# Altium PCB highpower.PcbDoc (part 1 of 2) (continued)
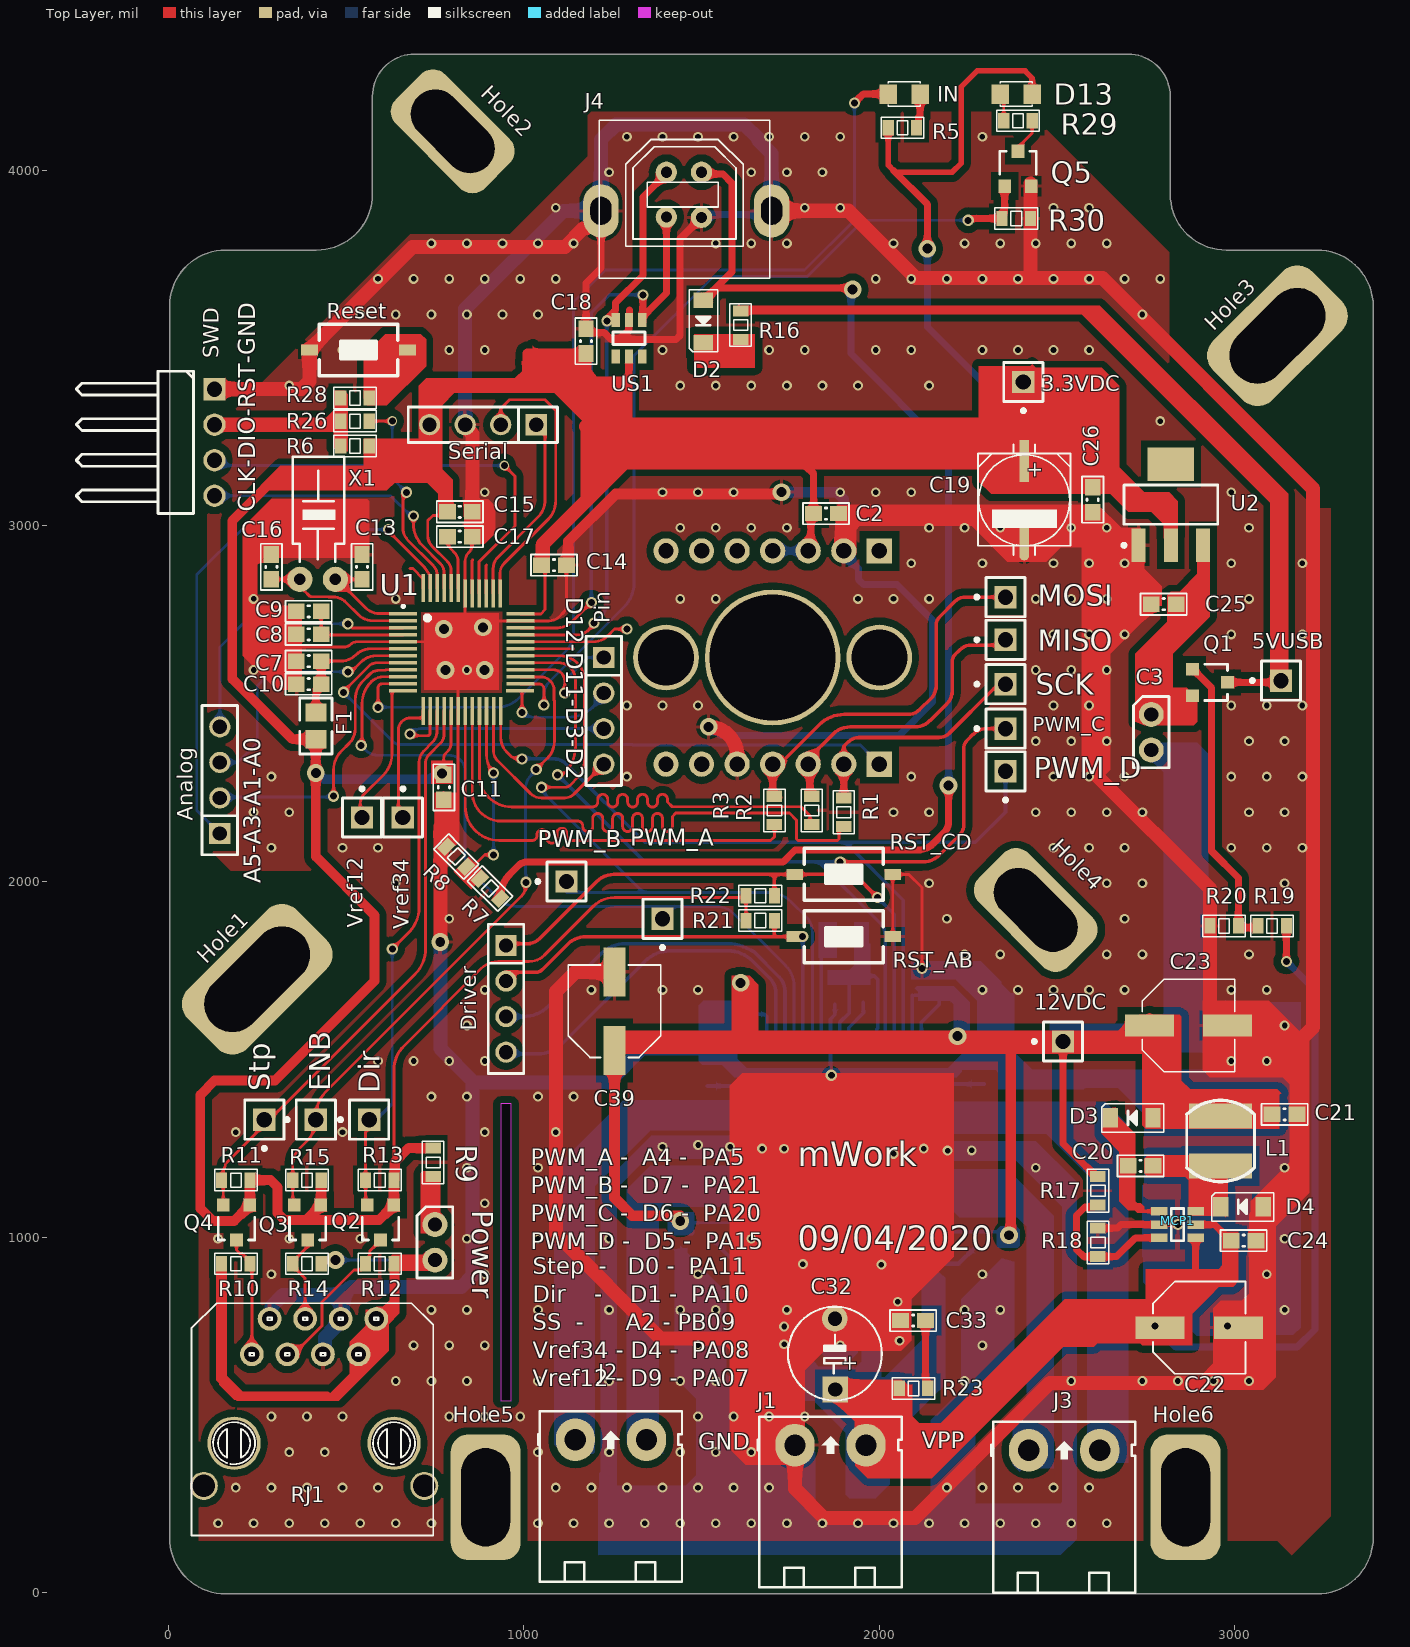
[diagram p0: Top Layer view]
## Footprints (in the part's own frame and the unit in brackets; to place one, negate y for a bottom-side part, rotate by r counter-clockwise, add the part's x,y. Pads: shape width x height; smd on the part's side, far side on the other; paste and mask are expansions set on the pad)
AS5047D_Module [mm] "PCB Breakout"
  rect 1.8x1.8 hole 1.1: 1(0,0) 14(15.24,0)
  round 1.8 hole 1.1: 2(0,-2.54) 3(0,-5.08) 4(0,-7.62) 5(0,-10.16) 6(0,-12.7) 7(0,-15.24) 8(15.24,-15.24) 9(15.24,-12.7) 10(15.24,-10.16) 11(15.24,-7.62) 12(15.24,-5.08) 13(15.24,-2.54)
  round 9.7 hole 9: A(7.62,-7.62)
  round 4.7 hole 4: B(7.62,-15.24) C(7.62,0)
  silkscreen extent -1.27,-17.27 16.26,1.91
CA-ALU-5R [mil]
  rect 72x72 hole 40: 1(-99,-1)
  round 72 hole 40: 2(100,0)
  silkscreen extent -130,-132 134,132, body extent -108,-98 108,98, height 551
CAP-ALU-SMD-6.3x7.7x2.2 [mm]
  rect 3.5x1.6 smd: 1(-2.8,0) 2(2.8,0)
  silkscreen extent -3.3,-3.3 3.3,3.3, body extent -3.65,-3.3 3.65,3.3, height 7.65
CAP-ALU-SMD-D [mm]
  rect 3x0.7 smd: 1(-2.794,0)
  oval 3x0.7 smd: 2(2.794,0)
  silkscreen extent -4,-3.3 3.93,3.3, body extent -3.5,-3.3 3.5,3.3, height 5.4
Capacitor_805 [mm]
  rect 1.3x1.5 smd: 1(0.95,0) 2(-0.95,0)
  silkscreen extent -2,-1.15 2,1.15, body extent -1,-0.63 1,0.62, height 0.78
CN-SMD-0603_big [mm]
  rect 1.2x1.1 smd: 1(-0.889,0) 2(0.889,0)
  silkscreen extent -1.65,-0.76 1.65,0.76, body extent -0.8,-0.4 0.8,0.4, height 0.3
CN-SMD-0805 [mil]
  rect 43.31x55 smd: 1(-39.36,0.01) 2(39.37,0.01)
  silkscreen extent -70,-34 70,33, body extent -39,-25 39,25, height 31
DIO-SMD-123 [mm]
  rect 1.1x1.4 smd: 1(1.524,0) 2(-1.524,0)
  silkscreen extent -2.16,-1.02 2.29,1.02, body extent -1.76,-0.8 1.94,0.8, height 1.25
DIO-SMD-214AC [mil] "DO-214AC , ES1J"
  rect 51.18x59.06 smd: 1(170,45) 2(35,45)
  silkscreen extent 0,0 200,85, body extent 16,9 161,72, height 49
DRV8432 [mm]
  rect 2.2x0.43 smd paste+0: 1(0,11.05)
  rect 2.2x0.43 smd: 2(0,10.4) 3(0,9.75) 4(0,9.1) 5(0,8.45) 6(0,7.8) 7(0,7.15) 8(0,6.5) 9(0,5.85) 10(0,5.2) 11(0,4.55) 12(0,3.9) 13(0,3.25) 14(0,2.6) 15(0,1.95) 16(0,1.3) 17(0,0.65) 18(0,0) 19(13.208,0) 20(13.208,0.65) 21(13.208,1.3) 22(13.208,1.95) 23(13.208,2.6) 24(13.208,3.25) 25(13.208,3.9) 26(13.208,4.55) 27(13.208,5.2) 28(13.208,5.85) 29(13.208,6.5) 30(13.208,7.15) 31(13.208,7.8) 32(13.208,8.45) 33(13.208,9.1) 34(13.208,9.75) 35(13.208,10.4) 36(13.208,11.05)
  silkscreen extent 1.27,-2.54 11.81,13.59, body extent -0.77,-2.41 13.73,13.59, height 3.71
HolePad#1 [mm]
  rrect50% 11x6 hole 4 slot 9 at 0 deg: 1(0,0)
HolePad#2 [mm]
  rrect50% 9x5 hole 3.5 slot 7 at 0 deg: 1(0,0)
HolePad#3 [mm]
  rrect50% 10x6 hole 4 slot 8 at 0 deg: 1(0,0)
HolePad#4 [mm]
  rrect50% 9x5 hole 3.5 slot 7 at 0 deg: 1(-0.56,0.1)
HolePad#5 [mm]
  rrect50% 9x5 hole 3.5 slot 7 at 0 deg: 1(0,0.1)
JP1-D1T [mm] "1pins, 1 row, straight, gold plating"
  rect 1.6x1.6 hole 1.1: 1(0,0)
  silkscreen extent -1.4,-1.4 1.4,2.17, body extent -1.27,-1.27 1.27,1.27, height 8.54
JP2-CLOSED [mil]
  round 70 hole 40: 1(0,0) 2(0,-100)
  silkscreen extent -50,-150 50,50, body extent -50,-152 50,50, height 300
JP4-C1T [mm] "4 row, straight, gold plating"
  rect 1.52x1.52 hole 1.02: 1(0,0)
  round 1.52 hole 1.02: 2(2.54,0) 3(5.08,0) 4(7.62,0)
  silkscreen extent -1.52,-1.27 9.14,1.27, body extent -1.52,-1.25 9.14,1.25, height 8.51
JP4-D1C [mm] "4 pins, 1 row, right angled, gold plating"
  rect 1.6x1.6 hole 1.1: 1(-8.89,2.54)
  round 1.6 hole 1.1: 2(-6.35,2.54) 3(-3.81,2.54) 4(-1.27,2.54)
  silkscreen extent -10.16,-7.34 0,1.04, body extent -10.16,-7.57 0,2.79, height 2.54
KF2-5.08T [mil] "Header 2, 2 pin, hight 300mil, Pin to Pin 200, Colour Green"
  oval 110x120 hole 60: 1(0,0) 2(200,0)
  silkscreen extent -105,-400 300,80, body extent -97,-399 297,73, height 334
L_SMD [mil] "4.5x5mm"
  rect 70.87x177.17 smd: 1(-20,5) 2(120,5)
  silkscreen extent -64,-90 164,100
LED-0805-Blue [mil]
  rect 50x55 smd: 1(0,0) 2(90,0)
  silkscreen extent 0,-35 90,35, body extent 5,-25 85,25, height 43
QFP50P900X900X120-48N [mm]
  rect 2x0.267 smd: 1(-4.2,2.75) 2(-4.2,2.25) 3(-4.2,1.75) 4(-4.2,1.25) 5(-4.2,0.75) 6(-4.2,0.25) 7(-4.2,-0.25) 8(-4.2,-0.75) 9(-4.2,-1.25) 10(-4.2,-1.75) 11(-4.2,-2.25) 12(-4.2,-2.75) 25(4.17,-2.75) 26(4.2,-2.25) 27(4.2,-1.75) 28(4.2,-1.25) 29(4.2,-0.75) 30(4.2,-0.25) 31(4.2,0.25) 32(4.2,0.75) 33(4.2,1.25) 34(4.2,1.75) 35(4.2,2.25) 36(4.2,2.75)
  rect 0.267x2 smd: 13(-2.75,-4.2) 14(-2.25,-4.2) 15(-1.75,-4.2) 16(-1.25,-4.2) 17(-0.75,-4.2) 18(-0.25,-4.2) 19(0.254,-4.191) 20(0.762,-4.191) 21(1.27,-4.191) 22(1.778,-4.191) 23(2.286,-4.191) 24(2.794,-4.191) 37(2.75,4.2) 38(2.25,4.2) 39(1.75,4.2) 40(1.25,4.2) 41(0.75,4.2) 42(0.25,4.2) 43(-0.25,4.581) 44(-0.75,4.581) 45(-1.25,4.581) 46(-1.75,4.581) 47(-2.25,4.581) 48(-2.75,4.581)
  silkscreen extent -4.27,2.33 -2.32,3.38, body extent -4.5,-4.56 4.5,4.45, height 1.41
RES-SMD-0603_BIG [mm]
  rect 0.8x1.1 smd: 1(-1.016,0) 2(1.016,0)
  silkscreen extent -1.52,-0.76 1.52,0.76, body extent -0.8,-0.4 0.8,0.4, height 0.43
RJ45-Dung [mm]
  round 1.7 hole 1.1: 1(0,0) 2(1.27,2.54) 3(2.54,0) 4(3.81,2.54) 5(5.08,0) 6(6.35,2.54) 7(7.62,0) 8(8.89,2.54)
  round 3.81 hole 3.3: HM1(-1.27,-6.35) HM2(10.16,-6.35)
  round 2 hole 1.6: HM3(-3.43,-9.4) HM4(12.32,-9.4)
  silkscreen extent -4.32,-12.95 16.51,3.65, body extent -3.27,-12.53 13.18,2.37, height 12.96
SOT23-6 [mm] "SOT143-4 as used in SP0503BAHTG"
  round 0.2 on Top Overlay: 1(-1.5,0.75)
  rect 0.6x1 smd: 1(-0.95,0) 2(0,0) 3(0.95,0) 4(-0.95,2.6) 5(0,2.6) 6(0.95,2.6)
  silkscreen extent -1.15,0.85 1.15,1.75, body extent -1.46,0.13 1.46,2.47, height 1
SOT23-6- [mm] "SOT143-4 as used in SP0503BAHTG"
  round 0.5 on Top Overlay: 1(-1.524,0.762)
  rect 0.6x1.2 smd: 1(-0.95,0) 2(0,0) 3(0.95,0) 4(0.95,2.6) 5(0,2.6) 6(-0.95,2.6)
  silkscreen extent -1.15,0.85 1.15,1.75, body extent -1.46,0.13 1.46,2.47, height 1
SOT23-bss138 [mm] "SOT23, 1=bottom-left, 2=top, 3=bottom-right"
  rect 0.9x0.95 smd: D(0,1.25) G(-0.95,-1.25) S(0.955,-1.25)
  silkscreen extent -1.3,-0.38 1.3,1.25, body extent -1.52,-1.23 1.48,1.27, height 1.06
SOT23F [mm] "SOT23, 1G 2S 3D"
  rect 0.9x0.95 smd: 1(-0.95,-1.25) 2(0.955,-1.25) 3(0,1.25)
  silkscreen extent -1.3,-0.38 1.3,1.25, body extent -1.52,-1.23 1.48,1.27, height 1.06
SOT223 [mm]
  rect 1x2.4 smd: 1(-2.3,-2.9) 2(0,-2.9) 3(2.3,-2.9)
  rect 3.3x2.4 smd: 4(0,2.9)
  silkscreen extent -3.47,-3.02 3.35,1.4, body extent -3.25,-3.56 3.25,3.4, height 1.68
SW1-SMD [mm]
  rect 1.2x0.8 smd: 1(-3.5,0) 2(3.5,0)
  silkscreen extent -2.82,-1.85 2.82,1.85, body extent -3.05,-1.85 3.05,1.85, height 2.5
USB-C3 [mil]
  round 60 hole 31.5 mask+2: 1(48,63.5) 2(-51,63.5) 3(-51,-62.5) 4(48,-63.5)
  oval 100x150 hole 59.06 slot 78.74 at 90 deg mask+2: 4(-235,-45) 4(245,-45)
  silkscreen extent -240,-234 240,210, body extent -290,-235 289,210, height 634
XT32k [mm]
  round 1.8 hole 0.813: 1(0,0) 2(0,-2.54)
  silkscreen extent 1.27,-3.17 8.76,0.51, body extent -0.15,-2.42 8.2,-0.12, height 1.95

## Part data
3.3VDC 5VUSB 12VDC C3 Dir ENB MISO MOSI Power PWM_A PWM_B PWM_C PWM_D SCK Stp Vref12 Vref34: "WR-PHD 2.54 mm Angled Socket Header", Manufacturer="W¨¹rth Elektronik eiSos GmbH", partNo=613002143121, ComponentLink1 Description=Manufacturer, ComponentLink1URL=http://www.we-online.com, ComponentLink2 Description=Datasheet, ComponentLink2URL=http://katalog.we-online.de/em/datasheet/6130xx143121.pdf, Created by="Karrer Zheng", Created Date="29 March 2013", NoPins=02
Analog Driver Pin Serial SWD: "WR-PHD 2.54 mm Angled Socket Header", Manufacturer="W¨¹rth Elektronik eiSos GmbH", partNo=613004143121, ComponentLink1 Description=Manufacturer, ComponentLink1URL=http://www.we-online.com, ComponentLink2 Description=Datasheet, ComponentLink2URL=http://katalog.we-online.de/em/datasheet/6130xx143121.pdf, Created by="Karrer Zheng", Created Date="29 March 2013", NoPins=04
AS1: Current_Str=A, Manufacture_Parts=:AS5047D, Voltage=0, Voltage_Str=0V, Company_Part_GUID=altiumdb5786b44c08eb91.84503477, Component=AS5047D, ComponentLink1Description=unknown, ComponentLink2Description=Datasheet, ID=37, Manufacturer_Part_Number=AS5047D, Misfit Price=0, Price=0, Vendor=unknown, Watts=0, Watts_Str=0W
C7 C8 C9 C10 C11 C13 C14 C15 C16 C17 C18 C28 C29 C30 C31 C33 C34 C35 C36 C37 C38 C40 C41 C42 C43 C44: library part CN
C19 C22 C23 C39: library part CN-ALU-SMD, "Polarized Capacitor (Axial)", LatestRevisionDate=17-Jul-2002, LatestRevisionNote="Re-released for DXP Platform.", PackageReference=POLAR0.8, Published=8-Jun-2000, Publisher="Altium Limited"
C32: "Capacitor (Semiconductor SIM Model)", LatestRevisionDate=17-Jul-2002, LatestRevisionNote="Re-released for DXP Platform.", PackageReference=C1206, Publisher="Altium Limited"
D1: library part Diode, "Default Diode", Code - JEDEC=DO-214-AB, ComponentLink1Description="ES1J - STMBL", ComponentLink1URL=https://banlinhkien.vn/goods-8089-es1j-do214-diode-1a-600v-sma-es1j-.html, ComponentLink2Description=Schottky, ComponentLink2URL=RB160M-60, Published=8-Jun-2000, Publisher="Altium Limited", Revision="July-2002: Re-released for DXP Platform."
D2 D3 D4: "Default Diode", Code - JEDEC=DO-214-AB, ComponentLink1Description="ES1J - STMBL", ComponentLink1URL=https://banlinhkien.vn/goods-8089-es1j-do214-diode-1a-600v-sma-es1j-.html, Published=8-Jun-2000, Publisher="Altium Limited", Revision="July-2002: Re-released for DXP Platform."
D13 IN: library part "LED SMD"
F1: library part Ferrite
J1 J2 J3: Manufacturer="Würth Elektronik eiSos GmbH", partNo=691103110002, ComponentLink1 Description=Manufacturer, ComponentLink1URL=http://www.we-online.com, ComponentLink2 Description=Datasheet, ComponentLink2URL=http://katalog.we-online.de/em/datasheet/6911031100xx.pdf, Created by="Karrer Zheng", Created Date="29 October 2013", NoPins=2
J4: library part USB-4, "THT USB 2.0 A Connector WE-EPLE", Manufacturer="Würth Elektronik eiSos GmbH", ComponentLink1Description=Manufacturer, ComponentLink1URL=http://www.we-online.de, ComponentLink2Description=Datasheet, ComponentLink2URL=http://www.we-online.de/katalog/media/pdf/8492121.pdf, Created by="Christin Otto", Created Date=OCT-2014, partNo=8492121
L1: library part L-SMD-1, "https://www.thegioiic.com/products/cuon-cam-68uh-cd75-smd-7-8x7-5x5-0", Inductance="56 μH", Manufacturer="Wurth Elektronik", partNo=78477010, ComponentLink1Description=Manufacturer, ComponentLink1URL=http://www.we-online.de, ComponentLink2Description=Datasheet, ComponentLink2URL=http://katalog.we-online.de/pbs/datasheet/78477010.pdf, Created by="Baojun Chen", Created Date=Nov.2015
Q1: "HEXFET P-Channel Power MOSFET"
Q2 Q3 Q4 Q5: "N-Channel 50V 220mA _Ta_ 360mW _Ta_ Surface Mount Die", Package="TO-236-3 Micross", Availability=Unavailable, MF="MICROSS/On Semiconductor", MP=BSS138, Price=None, SnapEDA_Link=https://www.snapeda.com/parts/BSS138/MICROSS/On%20Semiconductor/view-part/2773844/?ref=snap
R1 R2 R3 R5 R6 R7 R8 R16 R17 R18 R19 R20 R23 R26 R28 R29 R30: library part R
Reset RST_AB RST_CD: library part SW2, "Switch button 2 pin"
RJ1: library part "CON JR45", ComponentLink1Description=Mua, ComponentLink1URL=https://thegioiic.com/products/rj45-top-cong-rj45-top-180-do
Step1: "https://www.digikey.com/product-detail/en/texas-instruments/DRV8432DKDR/296-29573-2-ND/2353367", ComponentLink1Description=Datasheet, ComponentLink1URL=https://www.ti.com/lit/ds/symlink/drv8432.pdf, ComponentLink2Description=BOM, ComponentLink2URL=https://www.digikey.com/product-detail/en/texas-instruments/DRV8432DKDR/296-29573-2-ND/2353367
U1: "ARMÂ® CortexÂ®-M0+ SAM D21G Microcontroller IC 32-Bit 48MHz 256KB _256K x 8_ FLASH 48-TQFP _7x7_ / Arduino Zero", Package="TQFP-48 Atmel", Availability=Unavailable, MF=Microchip, MP=ATSAMD21G18A-AU, Price=None, SnapEDA_Link=https://www.snapeda.com/parts/ATSAMD21G18A-AU/Microchip/view-part/55502/?ref=snap
U2: library part LM1117, "800mA Low-Dropout Linear Regulator", Creator="Nguyen Ba Bien", Website=http://group3i.net
US1: library part USBLC6-2S, "http://robocon.vn/detail/ic81-ic-dan-ul26-usblc6-2sc6-sot-23-6-st-st-esd.html"
X1: library part XT2, "Crystal, 32.768 KHz, -40 to 85 degC, 3.2 x 1.5 x 0.9 mm SMD"

## Via types
v1: diameter 27.56, hole 15.75, Top Layer to Bottom Layer, tented both sides, 321 vias
v2: diameter 31.5, hole 19.68, Top Layer to Bottom Layer, tented both sides, 37 vias
v3: diameter 50, hole 28, Top Layer to Bottom Layer, tented both sides, 17 vias
v4: diameter 27.56, hole 19.68, Top Layer to Bottom Layer, 2 vias

## Nets (pads, with @x,y where several pads share a name; then routed paths per layer and width w, separated by ;. In a path a pad name is that pad's centre, name@x,y a point inside that pad or via, vN(x,y) a via of type N, cw(c..) or ccw(c..) an arc to the next point about the centre after c; other vN are vias at no path point)
5V_USB: D2.1 J4.1 R7.1 | length 3873.6
  Top Layer w19.68: R7.1@933.28,1951.72 933.28,1951.86 cw(c1033.28,1951.86) 955.91,2015.21 cw(c1033.28,1951.86) 962.57,2022.57 985,2045 cw(c1009.14,2020.86) 1009.14,2055 1729.77,2055 1763.4,2088.62 2106.92,2088.62 ccw(c2106.92,2153.08) 2152.5,2107.5 2180.86,2135.86 ; J4.1@1500,3995 1505,3990 1560,3990 1585,3965 1585,3715 1542.95,3672.95 D2.1@1505,3635 1510.91,3635 1545.91,3670 1920,3670 v3(1925,3665) ; 2180.88,2135.88 ccw(c2146.72,2170) 2195,2170 v3(2195,2270)
  Bottom Layer w19.68: v3@1920,3650 1920,3485 2195,3210 v3(2195,2270) v3@2195,2265
+5: Power.2 R10.2 R12.2 R14.2 RJ1.7 RJ1.8 | length 1544
  Top Layer w8: R10.2@150,925 150,595 146.31,591.31 146.31,586.1 187.41,545 455,545 535,625 RJ1.7@535,670 573.72,708.72 573.72,758.72 RJ1.8@585,770 635,820 R12.2@635,925 645,935 Power.2@750,935 ; R14.2@430,925 440,935 v3(470,935)
  Bottom Layer w8: v3@490,935 Power.2@750,935
+5_USB: 5VUSB.1 Q1.3 R16.2 | length 2405.3
  Top Layer w19.68: R16.2@1610,3605 2605,3605 3130,3080 5VUSB.1@3130,2565 3125,2560 Q1.3@2979.21,2560
+12: 12VDC.1 C3.2 C21.2 C23.1 C39.1 C40.2 C41.2 C42.2 C43.2 C44.2 D3.1 L1.2 R17.1 Step1.1 Step1.17 Step1.18 Step1.19 Step1.36 | length 6548.5
  Top Layer w10: v3(1610,1715) 1645,1680 1645,1570.86 1650.86,1565 v3(2220,1565) 2400,1565 ; 2235,1545 2380,1545 ; v3@2365,1015 v3@2370,1020 ; 2370,1535 2380,1545 ; 12VDC.1@2516.63,1545 2642.36,1545 2662.36,1565 ; R17.1@2609.09,1170 R17.1@2615,1170 ; L1.2@2910,1340 2845,1340 2845,1567.17 2792.17,1620 2759.53,1620 2717.36,1620 2662.36,1565 ; C21.2@3105,1345 C21.2@3120.74,1329.26 ; 2380,1545 2400,1565 ; 2400,1565 2516.63,1565 2662.36,1565
  Top Layer w19.68: 12VDC.1@2516.63,1545 2516.63,1263.37 2598.19,1181.81 2598.19,1175.91 R17.1@2604.09,1170 ; C23.1@2759.53,1620 C23.1@2759.53,1595 2770,1584.53 D3.1@2770,1335 2845,1335 L1.2@2905,1335
  Top Layer w30: C39.1@1255,1562.17 C39.1@1255,1524.76 1255,1110 1305,1060 v3@1440,1060 ; v3@2370,1020 2370,1535
  Bottom Layer w8: 1490,1040 Step1.36@1680.95,1040
  Bottom Layer w10: C43.2@1440,1030 C43.2@1440,1050 ; C43.2@1442.5,1027.5 1455,1040 1490,1040 ; v3(1610,1715) 1645,1680 C44.2@1645,1640 1658.84,1626.16 1677.65,1626.16 1683.5,1620.3 Step1.1@1683.5,1535 ; Step1.17@2092.95,1535 2092.95,1680 ; C40.2@2100,1680 2170,1680 2168.97,1678.97 2168.97,1653.97 2118.41,1603.41 2118.41,1535.13 Step1.18@2118.54,1535 ; Step1.19@2118.54,1015 2337.49,1015 2338.87,1013.62 2343.35,1013.62 2360,996.97 C41.2@2360,995 ; C42.2@2180,1680 2190.8,1669.2 2210.8,1669.2 2235,1645 2235,1565 2235,1545 ; C43.2@1440,1050 1440,1060 C43.2@1440,1050
  Bottom Layer w11.81: Step1.36@1680.95,1040 1683.5,1037.44 Step1.36@1683.5,1015
  Bottom Layer w40: 12VDC.1@2516.63,1549.91 2796.57,1549.91 2820,1573.34 2820,2315 C3.2@2765,2370
  other v3: 2365,1005 1440,1045
AREF: C8.2 C9.2 U1.4 | length 300.3
  Top Layer w8: C9.2@430,2765 C9.2@430,2760 C8.2@430,2695 431.14,2693.86 U1.4@659.8,2693.86
D0: Q4.S R11.1 Stp.1 U1.16 | length 1640.4
  Top Layer w8: Q4.S@154.37,1090 154.37,1155.63 R11.1@150,1160 cw(c234.5,1160) 160.15,1200.15 160.15,1205.15 694.23,1739.23 ccw(c623.52,1809.94) 723.52,1809.94 723.52,2332.58 cw(c757.42,2332.58) 733.42,2356.53 ; 733.45,2356.55 764.67,2387.78 ; 764.69,2387.8 ccw(c737.44,2415) 775.94,2415 U1.16@775.94,2479.29
D1: Dir.1 Q2.S R13.1 U1.15 | length 1466.1
  Top Layer w8: Q2.S@559.37,1090 555,1094.37 R13.1@555,1160 555,1295 570,1310 Dir.1@570,1315 ; v2(630,1810) 676.21,1856.21 ccw(c605.5,1926.92) 684.98,1866.23 ccw(c605.5,1926.92) 705.5,1926.92 705.5,2335.17 cw(c751.11,2335.17) 718.86,2367.42 741.99,2390.56 ccw(c707.55,2425) 756.26,2425 U1.15@756.26,2479.29
  Bottom Layer w8: Dir.1@570,1315 630,1375 v2(630,1810)
D8: IN.2 U1.11 | length 3026.7
  Top Layer w8: v2(590,2490) 590,2544.41 cw(c601.65,2544.41) 601.65,2556.06 U1.11@659.8,2556.06
  Top Layer w20: v2(1930,4190) 1955,4215 IN.2@2022.29,4215
  Bottom Layer w8: v2(590,2490) 924.64,2490 ccw(c924.64,2575.36) 984.96,2514.96 ccw(c924.64,2575.36) 985,2515 1120,2650 ; 1120.03,2650.03 ccw(c1071.72,2698.28) 1140,2698.28 1140,3630 1230,3720 1790,3720 1930,3860 v2(1930,4190)
D10: ENB.1 Q3.S R15.1 U1.27 | length 1854.6
  Top Layer w8: Q3.S@354.37,1090 350,1094.37 R15.1@350,1160 350,1205 cw(c410.36,1205) 367.68,1247.68 390.25,1270.25 ; 390.28,1270.28 ccw(c330.5,1330) 405,1290.13 ccw(c330.5,1330) ENB.1@415,1330 415,1341.11 cw(c508.89,1341.11) 442.5,1407.5 992.5,1957.5 ; U1.27@990.51,2575.75 990.95,2575.31 1048.14,2575.31 cw(c1048.14,2538.46) 1085,2538.46 1085,2509.7 1086.06,2508.63 1086.06,2395 cw(c1016.19,2395) 1065.61,2345.61 v2(1035,2315) ; 992.53,1957.53 ccw(c959.25,1990.75) 1006.27,1990.75 v2(1006.27,1997.75)
  Bottom Layer w8: v2(1006.27,1997.75) 1006.27,2018.73 cw(c1013,2023.06) 1005,2023.06 1005,2261.94 cw(c1056.21,2261.94) 1019.99,2298.14 1035,2313.15 v2(1035,2315)
D13: Q5.G R30.2 U1.26 | length 2497
  Top Layer w8: U1.26@990.51,2556.06 990.95,2555.63 1042.37,2555.63 cw(c1042.37,2541) 1057,2541 1057,2497 v2(1056.31,2496.31) ; Q5.G@2347.6,3960.79 Q5.G@2352.6,3965.79
  Top Layer w19.68: v2(2250,3860) 2253.2,3860 2258.2,3865 R30.2@2345,3865 2345,3870.91 2352.6,3878.5 Q5.G@2352.6,3955.79
  Bottom Layer w8: v2(1056.31,2496.31) 1056.31,2523.42 cw(c1111.58,2523.42) 1072.5,2562.5 1281.72,2771.72 ccw(c1213.43,2840) 1310,2840 1310,3478.72 1533.28,3702 1797.46,3702 1955.46,3860 v2(2250,3860)
D+: J4.3 U1.34 US1.1@1333.35,3579.53 | length 1598.9
  Top Layer w8: U1.34@990.51,2713.54 1095.27,2713.54 ccw(c1095.27,2769.73) 1135,2730 v2(1190,2785)
  Top Layer w19.68: US1.1@1333.35,3576.65 1335,3578.31 v2(1335,3650) ; US1.1@1333.35,3579.53 1333.35,3587.4 1401,3655.06 J4.3@1401,3869
  Bottom Layer w10: v2(1190,2785) 1190,3600 1240,3650 v2(1335,3650)
D-: J4.2 U1.33 US1.3 | length 1571.7
  Top Layer w8: U1.33@990.51,2693.86 1148.35,2693.86 ccw(c1148.35,2743.36) 1183.35,2708.35 1197.86,2722.86 v2(1197.86,2727.14)
  Top Layer w19.68: v2(1233.62,3577.19) 1233.62,3582.68 1258.54,3607.6 1258.54,3628.54 1335,3705 1335,3925 1401,3991 J4.2@1401,3995
  Bottom Layer w10: v2(1197.86,2727.14) 1199.99,2727.14 1212.96,2740.11 ; 1212.99,2740.14 ccw(c1163.07,2790) 1233.62,2790 v2(1233.62,3577.19)
Dir: Q2.D R12.1 RJ1.3 | length 452.4
  Top Layer w8: RJ1.3@335,670 345,680 362.12,680 432.46,750.34 432.46,817.46 522.35,907.35 543.25,907.35 555,919.09 R12.1@555,925 566.75,936.75 566.75,960.37 596.97,990.59 Q2.D@596.97,991.57
Enable: Q3.D R14.1 RJ1.4 | length 258.5
  Top Layer w8: RJ1.4@385,770 385,884.09 350,919.09 R14.1@350,925 350,930.91 398.01,978.91 398.01,985.54 Q3.D@391.97,991.57
GND: AS1.5 AS1.13 C2.2 C7.2 C8.1 C9.1 C10.2 C11.2 C13.1 C14.2 C15.2 C16.1 C17.2 C18.1 C19.2 C21.1 C22.2 C23.2 C24.1 C25.1 C26.1 C28.1 C29.1 C30.1 C31.1 C32.2 C33.1 C39.2 C40.1 C41.1 C42.1 C43.1 C44.1 D1.1 D4.1 J1.1 J4.4 MCP1.2 Q5.S R8.2 R18.2 R20.2 R25.1 R30.1 Reset.1 RJ1.2 RJ1.5 RJ1.6 RST_AB.1 RST_CD.1 Serial.3 Step1.8 Step1.23 Step1.24 Step1.31 Step1.32 SWD.1 U1.5 U1.18 U1.35 U1.42 U2.1 US1.2 | length 29086.3
  Top Layer w8: C10.2@360,2555 C8.1@360,2695 ; RJ1.6@473.72,758.72 RJ1.6@485,770 ; 512.41,2666.76 cw(c494.49,2684.72) 494.49,2659.35 369.69,2659.35 369.69,2685.31 C8.1@360,2695 ; 512.43,2666.78 cw(c530.31,2648.86) 530.31,2674.17 U1.5@659.8,2674.17 774.17,2674.17 780,2680 ; C13.1@545,2920 C16.1@290,2920 290,2918.03 272.35,2900.38 245.38,2900.38 238.31,2893.31 238.31,2776.69 260,2755 355,2755 C9.1@360,2760 C8.1@360,2695 ; C11.2@775,2250 775,2140.91 805,2110.91 805,2105 815,2115 815,2325 815.32,2325.32 U1.18@815.32,2479.29 815.32,2569.68 815,2570 ; 835,2735 U1.42@835,2810 835,2900.86 cw(c869.14,2900.86) 844.98,2924.98 ccw(c820.86,2949.14) 855,2949.14 C17.2@855,2970 C15.2@855,3040 ; v3@885,2725 893.23,2733.23 U1.35@990.51,2733.23 1071.07,2733.23 ccw(c1071.07,2774.66) 1100.35,2745.35 1112.5,2757.5 ccw(c1094.39,2775.61) 1120,2775.61 C14.2@1120,2890 ; J4.4@1697,3886.5 J4.4@1705,3886.5 ; RST_CD.1@2018.17,2031.75 2029.92,2020 RST_CD.1@2037.8,2020 ; RST_AB.1@2037.8,1845 RST_CD.1@2037.8,2020 ; v2(2120,1755) 2120,1982.82 2082.82,2020 RST_CD.1@2037.8,2020
  Top Layer w10: 1715,820 1715,815 v1@1732.5,797.5 ; J1.1@1762.73,414.63 1762.73,767.27 v1@1732.5,797.5 ; v1@2010.59,923.82 2059.41,875 2065,875 ; 2015,855 2010,850 2010,810 1970,770 ; v1@2065,820 2065,770 C33.1@2060,765 2055,770 1970,770 ; MCP1.2@2787.64,1035 v2(2840,1035) ; C22.2@2950.24,750 C22.2@2975,774.76 ; v1@1732.5,797.5 1830.72,797.5 1858.22,770 C32.2@1875,770 1970,770
  Top Layer w19.68: J4.4@1214.2,3883.7 J4.4@1217,3886.5 1217,3725.27 1175,3683.27 C18.1@1175,3555 1186.18,3543.82 1226.18,3543.82 1245,3525 1270,3525 ; 1297.91,3607.91 1297.91,3581.5 US1.2@1295.94,3579.53 1295,3578.58 1295,3550 1270,3525 ; J4.4@1500,3868 1440,3808 1440,3536.53 1428.47,3525 1270,3525 ; AS1.13@1900,2930 1892.5,2937.5 1892.5,3027.5 C2.2@1885,3035 1892.5,3035 2395,3035 C19.2@2415.1,3014.9 ; C19.2@2407.79,2962.31 2407.79,3005.46 2415.48,3013.15 2416.85,3013.15 C19.2@2415.1,3014.9 ; R18.2@2615,1025 2670,1025 2680,1035 MCP1.2@2787.64,1035 ; C25.1@2765,2780 2763.03,2780 2735,2808.03 2735,2940.28 U2.1@2729.45,2945.83 2729.45,2973.39 2719.61,2983.23 2653.91,2983.23 2600.24,3036.9 C26.1@2600.24,3038.87 2439.06,3038.87 C19.2@2415.1,3014.9 ; 3145,1575 3175,1545
  Top Layer w30: C14.2@1120,2890 1124.85,2894.85 1124.85,2956.65 1258.19,3090 1720,3090 v3(1725,3095)
  Top Layer w39.37: SWD.1@130,3385 374.14,3385 397.2,3408.06 Reset.1@397.2,3495 687.2,3785 1115.5,3785 1166.76,3836.26 1175.35,3836.26 1214.2,3875.11 J4.4@1214.2,3883.7 ; v3(765,1830) 765,2155 ; Serial.3@835,3285 835,3279.46 855,3259.46 C15.2@855,3040 ; C39.2@1255,1745.24 1145.24,1745.24 1090,1690 1090,1010 1385,715 1575,715 1630,660 1630,540 1615,525 ; J1.1@1762.73,414.63 1762.73,292.27 1845,210 2100,210 2480,590 2940,590 3010.24,660.24 C22.2@3010.24,745 3047.64,745 3059.45,756.81 3059.45,794.21 3060,794.76 C24.1@3060,990 3060,1059.09 3078.03,1077.13 3078.03,1083.03 D4.1@3080,1085 ; C25.1@2763.03,2780 2610,2626.97 2610,2300 2930,1980 R20.2@2930,1875 2930,1645 2939.69,1635.31 2939.69,1606.81 2951.5,1595 C23.2@2980,1595 ; C23.2@3006.31,1595 3125,1595 3145,1575 ; D4.1@3080,1090.91 3175,1185.91 C21.1@3175,1345 3175,1545
  Top Layer w40: v3(1520,2435) cw(c1520,2355) 1600,2355 AS1.5@1600,2330 ; J4.4@1705,3886.5 1913.5,3886.5 2102.5,3697.5 2420,3697.5 ; Q5.S@2425,3963.19 2425,3880 R30.1@2425,3865 2425,3702.5 2420,3697.5 ; 3175,1545 3220,1590 3220,3105 2627.5,3697.5 2420,3697.5
  Bottom Layer w10: C43.1@1440,955 v1(1440,795) 1440,737.36 1486.18,691.18 1686.18,491.18 J1.1@1762.73,414.63 1762.73,331.21 1795,298.94 1795,295 1790,290 1790,220 1830,180 2180,180 2235,235 2235,550 2360,675 C41.1@2360,925 ; 1570,1490 1575,1495 C44.1@1575,1640 ; C30.1@1725,865 1740,880 1740,900 1785.87,945.87 1785.87,965.48 ; 1729.91,1457.45 1862.55,1457.45 v2(1865,1455) ; 1783.74,965.48 1783.74,1012.87 Step1.32@1785.87,1015 ; C31.1@1790,865 1790,895 1811.46,916.46 Step1.31@1811.46,1015 ; v2@1860,1460 1862.64,1462.64 Step1.8@1862.64,1535 1862.64,1612.64 1875,1625 R25.1@1875,1655 ; Step1.24@1990.59,1015 1990.59,915 v1@2005,929.41 ; 2005,960 v1@2005,929.41 ; v1@2010.59,923.82 v1@2005,929.41 ; Step1.23@2016.18,1015 2016.18,940.59 v1@2005,929.41 ; v1@2055,705 2057.5,707.5 2057.5,762.5 2060,765 ; C28.1@2063.03,865 C28.1@2065,865 ; 2065,810 v1@2065,820 ; C40.1@2100,1750 2170,1750 2170,1748.03 2186.65,1731.38 2213.62,1731.38 2285,1660 2285,1490 ; v2(2840,1035) 2840,970 2980,830 v2(2980,750)
  Bottom Layer w19.68: J4.4@1500,3868 1507.71,3875.71 1686.21,3875.71 J4.4@1697,3886.5 ; v3@1530,2430 1532.13,2430 1536.07,2426.06 1538.94,2426.06 1555,2410 2055,2410 2150,2505 2150,2735 2050,2835 1955,2835 1941.08,2848.92 1941.08,2880.07 1905,2916.15 AS1.13@1905,2930
  Bottom Layer w30: v3(1725,3095) 1880,3095 1900,3075 AS1.13@1900,2930
  Bottom Layer w39.37: RJ1.2@285,770 290,775 290,805 321.94,836.94 490.27,836.94 ; RJ1.5@435,670 440.27,675.27 440.27,717.82 485,762.54 RJ1.6@485,770 490.27,775.27 490.27,836.94 ; v3(765,1830) 765,1530 860,1435 ; Serial.3@835,3285 835,3610 1111.5,3886.5 J4.4@1217,3886.5 1217,4087 1260,4130 1620,4130 1660,4090 1660,4085 1697,4048 J4.4@1697,3886.5 ; 1545,1530 1332.5,1530 1237.5,1435 860,1435 ; 490.27,836.94 513.34,860 825,860 855,890 855,1430 860,1435
  other v1: 140,195 240,195 340,195 440,195 540,195 640,195 740,195 1040,195 1140,195 1240,195 1340,195 1440,195 1540,195 1640,195 1740,195 1840,195 1940,195 2040,195 2140,195 2240,195 2340,195 2440,195 2540,195 2640,195 190,295 290,295 390,295 490,295 590,295 1090,295 1190,295 1290,295 1390,295 1490,295 1590,295 1690,295 2190,295 2290,295 2390,295 2490,295 2590,295 340,395 440,395 1040,395 1240,395 1440,395 1540,395 1640,395 290,495 390,495 490,495 790,495 890,495 990,495 1490,495 1590,495 1690,495 1790,495 640,595 740,595 840,595 1040,595 1240,595 1440,595 1540,595 2240,595 2540,595 2740,595 2840,595 2940,595 3040,595 690,695 790,695 890,695 1490,695 1890,695 2290,695 1732.11,698.14 2057.11,708.14 1732.11,748.14 740,795 840,795 1040,795 1240,795 1540,795 1740,795 2240,795 2340,795 3140,795 2052.11,818.14 290,895 890,895 1490,895 2290,895 3090,895 2005.79,922.52 1785.2,923.7 140,995 340,995 540,995 840,995 1040,995 1240,995 1640,995 3140,995 890,1095 840,1195 1040,1195 2440,1195 3140,1195 2040.2,1233.7 2192.11,1243.14 2260.2,1243.7 1732.11,1248.14 1670.2,1248.7 2125.2,1248.7 1390.2,1253.7 1580.2,1253.7 1490.2,1258.7 190,1295 490,1295 890,1295 1090,1295 740,1395 840,1395 1040,1395 1140,1395 590,1495 690,1495 790,1495 890,1495 2990,1495 3090,1495 840,1595 3140,1595 890,1695 1190,1695 1390,1695 1490,1695 2290,1695 2390,1695 2490,1695 2590,1695 2690,1695 2990,1695 3090,1695 2240,1795 2340,1795 2640,1795 2740,1795 3040,1795 790,1895 2190,1895 2690,1895 640,1995 2140,1995 2640,1995 2740,1995 3140,1995 290,2095 490,2095 590,2095 2490,2095 2590,2095 2690,2095 2990,2095 3090,2095 3190,2095 240,2195 340,2195 2040,2195 2140,2195 2440,2195 2540,2195 2640,2195 2740,2195 3040,2195 3140,2195 290,2295 1290,2295 2090,2295 2490,2295 2590,2295 2690,2295 2990,2295 3090,2295 3190,2295 2440,2395 2540,2395 2640,2395 3040,2395 3140,2395 1290,2495 1390,2495 1490,2495 2490,2495 2590,2495 2990,2495 3090,2495 3190,2495 240,2595 840,2595 2440,2595 2540,2595 2640,2595 2490,2695 2590,2695 2690,2695 2990,2695 3190,2695 240,2795 640,2795 1440,2795 1540,2795 1940,2795 2040,2795 2140,2795 2440,2795 2540,2795 2640,2795 3040,2795 2090,2895 2290,2895 2490,2895 2590,2895 2690,2895 2990,2895 3190,2895 1440,2995 1540,2995 1640,2995 1740,2995 2140,2995 2240,2995 2340,2995 2540,2995 2640,2995 3040,2995 890,3095 1390,3095 1490,3095 1590,3095 1890,3095 1990,3095 2090,3095 2990,3095 2790,3295 340,3395 1440,3395 1540,3395 1640,3395 1740,3395 1840,3395 1940,3395 2140,3395 490,3495 790,3495 890,3495 1390,3495 1690,3495 1790,3495 1990,3495 2090,3495 2290,3495 2390,3495 2490,3495 2590,3495 540,3595 640,3595 740,3595 840,3595 940,3595 1040,3595 2740,3595 590,3695 690,3695 790,3695 890,3695 990,3695 1090,3695 1990,3695 2090,3695 2190,3695 2290,3695 2390,3695 2490,3695 2590,3695 2690,3695 2790,3695 740,3795 840,3795 940,3795 1040,3795 1140,3795 1540,3795 1640,3795 1740,3795 2040,3795 2240,3795 2340,3795 2440,3795 2540,3795 2640,3795 1090,3895 1790,3895 1890,3895 2490,3895 2590,3895 1240,3995 1640,3995 1740,3995 1840,3995 1290,4095 1390,4095 1490,4095 1590,4095 1690,4095 1790,4095 1890,4095 2290,4095
  other v3: 780,2595 890,2595 775,2710 885,2715
MISO: R2.2 U1.21 | length 1355.9
  Top Layer w8: U1.21@874.41,2450 875.16,2449.25 875.16,2299.84 ccw(c965,2299.84) 890.77,2249.23 ccw(c965,2299.84) 914.39,2225.61 ccw(c965,2299.84) 965,2210 1190,2210 1194,2210 ccw(c1194,2224) 1208,2224 1208,2231.33 cw(c1222,2231.33) 1236,2231.33 1236,2223.56 ccw(c1250,2223.56) 1264,2223.56 1264,2231.33 cw(c1278,2231.33) 1292,2231.33 1292,2223.56 ccw(c1306,2223.56) 1320,2223.56 1320,2231.33 cw(c1334,2231.33) 1348,2231.33 1348,2223.56 ccw(c1362,2223.56) 1376,2223.56 1376,2231.33 cw(c1390,2231.33) 1404,2231.33 1404,2224 1417.75,2210.25 1779.75,2210.25 1805,2185 1805,2165 R2.2@1810,2160
MOSI: R3.2 U1.19 | length 1329.1
  Top Layer w8: U1.19@835.16,2479.65 835.16,2211.31 ccw(c931.14,2211.31) 931.14,2115.33 ccw(c934.14,2174.14) 934.14,2115.25 1023,2115.25 ccw(c1023,2129.25) 1037,2129.25 1037,2131.87 cw(c1051,2131.87) 1065,2131.87 1065,2121.63 ccw(c1079,2121.63) 1093,2121.63 1093,2135.89 cw(c1107,2135.89) 1121,2135.89 1121,2129.25 ccw(c1135,2129.25) 1135,2115.25 1167,2115.25 1694.35,2115.25 1705,2125.91 R3.2@1705,2160
NetAnalog_1: Analog.1 U1.47 | length 1560.3
  Top Layer w8: v2(620,2990) 620,2984.64 719.82,2884.82 733.69,2864.41 cw(c722.14,2856.5) 736.13,2856.95 736.14,2856.74 736.57,2844.68 cw(c728.57,2844.36) 736.57,2844.36 U1.47@736.57,2825
  Bottom Layer w8: Analog.1@145,2135 80,2200 80,2863.37 208.31,2991.69 210,2990 v2(620,2990)
NetAnalog_2: Analog.2 U1.9 | length 794.5
  Top Layer w8: v2(465,2240) 465,2313.87 cw(c540.16,2313.87) 487.01,2367.01 509.03,2389.03 ccw(c468.06,2430) 526,2430 526,2511.84 cw(c599.7,2511.84) 547.59,2563.95 566.82,2583.18 ; 566.84,2583.2 cw(c593.79,2556.21) 587.94,2593.91 cw(c593.79,2556.21) 593.79,2594.36 597.98,2594.36 611.88,2594.98 cw(c612.56,2581) 612.44,2595 U1.9@659.8,2595.43
  Bottom Layer w8: Analog.2@145,2235 147.5,2237.5 462.5,2237.5 v2(465,2240)
NetAnalog_3: Analog.3 U1.7 | length 730.2
  Top Layer w8: v2(505,2590) 515,2590 542.5,2617.5 cw(c584.27,2575.73) 584.27,2634.8 U1.7@659.8,2634.8
  Bottom Layer w8: Analog.3@145,2335 195,2335 250,2390 250,2550 290,2590 v2(505,2590)
NetAnalog_4: Analog.4 U1.3 | length 771.5
  Top Layer w8: v2(505,2725) 516.46,2713.54 U1.3@659.8,2713.54
  Bottom Layer w8: Analog.4@145,2435 145,2660 210,2725 v2(505,2725)